# KiCad board KlusterLab r2.0.kicad_pcb (continued)
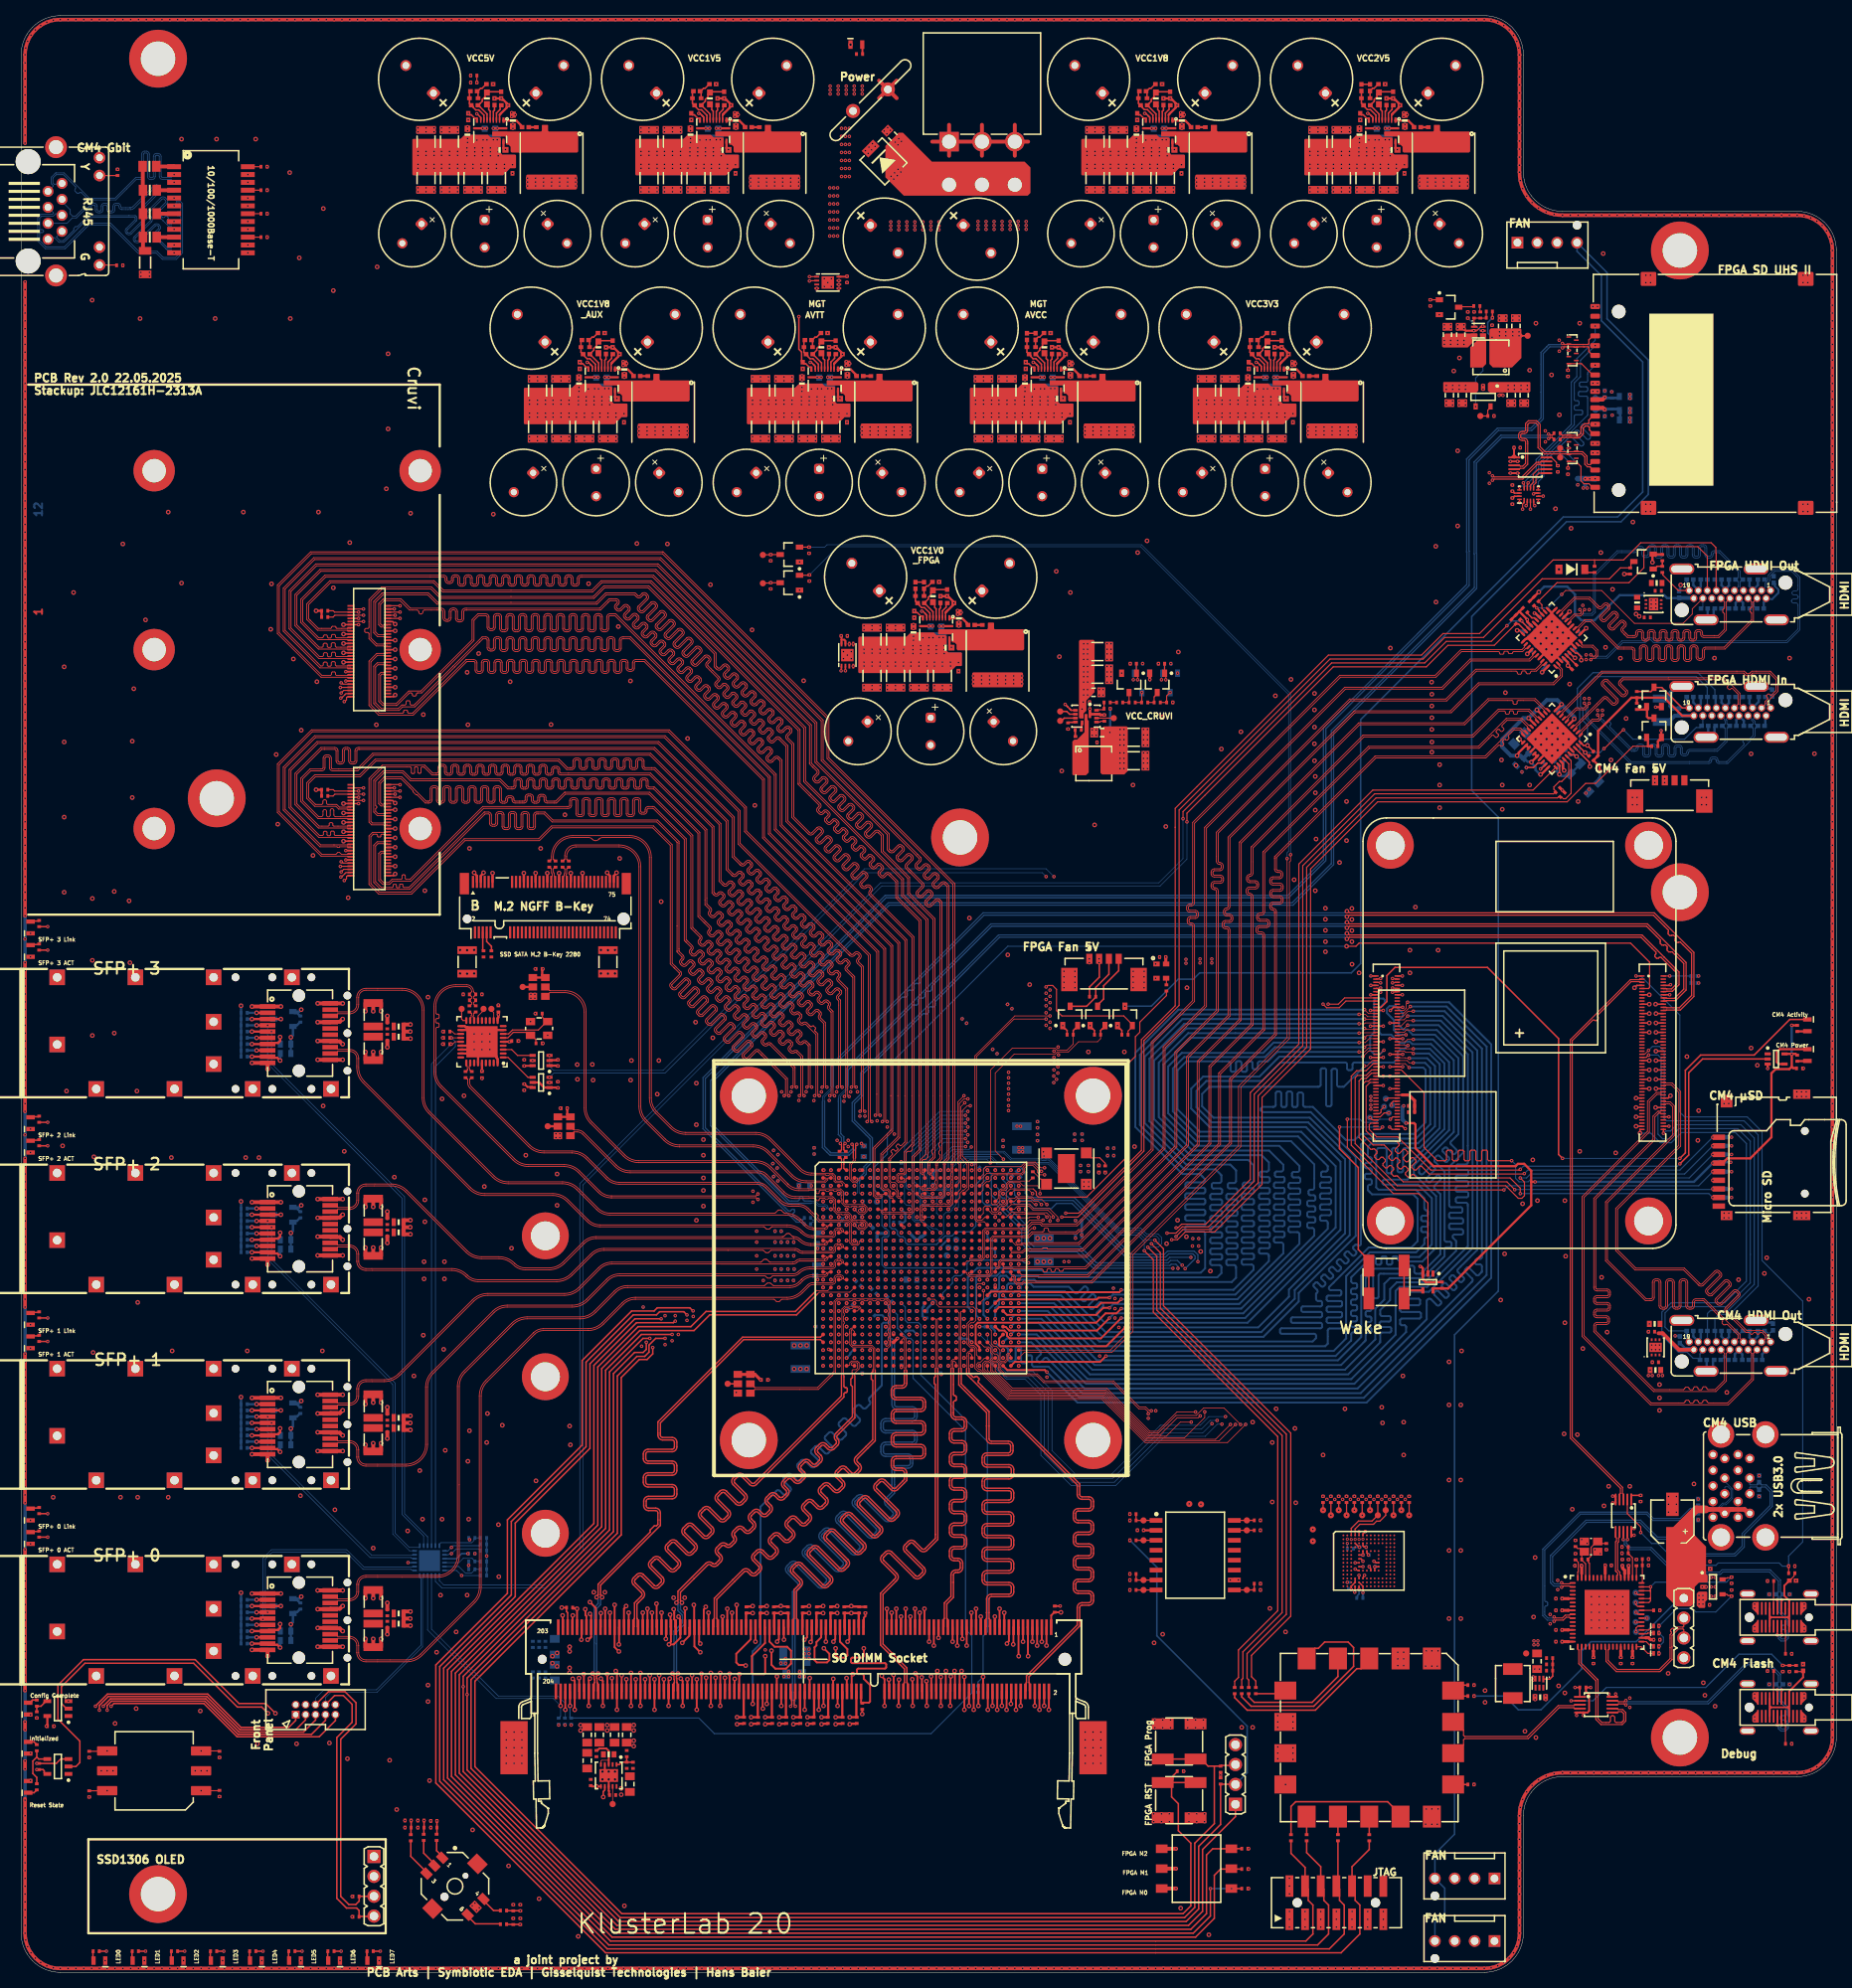
[diagram p0: board, top side]
## Placement (name value [footprint] x y rotation side) (continued)
R254  30.1k 1%  [RES_0402]  114.15 173.5 90 top
R274  47k 1%  [RES_0402_L]  126.97 102.02 225 bottom
R275  110R 1%  [RES_0402_L]  2.3 59 90 top
R276  200R 1%  [RES_0402_L]  2.3 56 90 top
R277  110R 1%  [RES_0402_L]  2.3 84 90 top
R278  200R 1%  [RES_0402_L]  2.3 81 90 top
R279  110R 1%  [RES_0402_L]  2.3 109 90 top
R280  200R 1%  [RES_0402_L]  2.3 106 90 top
R281  110R 1%  [RES_0402_L]  2.3 134 90 top
R282  200R 1%  [RES_0402_L]  2.3 131 90 top
R283  1.6k 1%  [RES_0402_L]  38.8 173.96 180 top
R284  1.6k 1%  [RES_0402_L]  38.8 151.1 180 top
R285  1.6k 1%  [RES_0402_L]  38.8 173.16 180 top
R286  1.6k 1%  [RES_0402_L]  38.8 150.3 180 top
R287  10k 1%  [RES_0402]  100.75 206.75 180 top
R288  1k 1%  [RES_0402]  128.55 209 90 top
R289  10R 1%  [RES_0402]  116.9 177.65 0 top
R290  10k 1%  [RES_0402]  115 174.95 180 top
R291  10k 1%  [RES_0402_L]  141.08 119.8 180 top
R292  6.04k 1%  [RES_0402]  118.8 174.95 180 top
R293  0R Jumper  [RES_0402]  117.5 175.4 270 top
R294  0R Jumper  [RES_0402]  118.35 176.25 270 top
R295  6.04k 1%  [RES_0402]  104.55 206.75 180 top
R296  0R Jumper  [RES_0402]  103.25 207.2 270 top
R297  0R Jumper  [RES_0402]  104.1 208.05 270 top
R298  0R Jumper  [RES_0402]  135.7 203.95 0 top
R299  30.1k 1%  [RES_0402]  128.4 205.3 90 top
R300  110R 1%  [RES_0402]  129.65 209 270 top
R301  10R 1%  [RES_0402]  131.15 209.45 0 top
R302  10k 1%  [RES_0402]  129.25 206.75 180 top
R303  6.04k 1%  [RES_0402]  133.05 206.75 180 top
R304  0R Jumper  [RES_0402]  131.75 207.2 270 top
R305  0R Jumper  [RES_0402]  132.6 208.05 270 top
R306  0R Jumper  [RES_0402]  178.45 235.75 0 top
R307  30.1k 1%  [RES_0402]  171.15 237.1 90 top
R308  12k 1%  [RES_0402]  171.3 240.8 90 top
R309  10R 1%  [RES_0402]  173.9 241.25 0 top
R310  10k 1%  [RES_0402]  172 238.55 180 top
R311  6.04k 1%  [RES_0402]  175.8 238.55 180 top
R312  0R Jumper  [RES_0402]  174.5 239 270 top
R313  0R Jumper  [RES_0402]  175.35 239.85 270 top
R314  0R Jumper  [RES_0402]  164.2 203.95 0 top
R315  30.1k 1%  [RES_0402]  156.9 205.3 90 top
R316  26.7k 1%  [RES_0402]  157.6 208.55 0 top
R317  10R 1%  [RES_0402]  159.65 209.45 0 top
R318  10k 1%  [RES_0402]  157.75 206.75 180 top
R319  6.04k 1%  [RES_0402]  161.55 206.75 180 top
R320  0R Jumper  [RES_0402]  160.2 207.2 270 top
R321  0R Jumper  [RES_0402]  161.1 208.05 270 top
R322  5.76k 1%  [RES_0402]  172.4 240.8 270 top
R323  0R Jumper  [RES_0402_L]  134.75 157.5 90 top
R324  10k 1%  [RES_0402_L]  133.8 159.25 90 top
R325  3.3k 1%  [RES_0402_L]  138.8 161.45 0 top
R326  18R 1%  [RES_0402_L]  138.8 162.25 180 top
R327  715R 1%  [RES_0402_L]  140.4 162.25 180 top
R328  301R 1%  [RES_0402_L]  142 162.25 180 top
R329  619R 1%  [RES_0402_L]  143.6 162.25 180 top
R330  562R 1%  [RES_0402_L]  145.2 162.25 180 top
R331  1.1k 1%  [RES_0402_L]  146.8 162.25 180 top
R332  10k 1%  [RES_0402_L]  142.15 167.2 180 top
R333  10k 1%  [RES_0402_L]  142.95 167.2 0 bottom
R334  10k 1%  [RES_0402_L]  145.75 167.2 180 top
R335  10k 1%  [RES_0402_L]  146.55 167.2 0 bottom
R336  10k 1%  [RES_0402_L]  196.4 192.1 270 top
R337  10k 1%  [RES_0402_L]  197.7 204.3 90 top
R338  10k 1%  [RES_0402_L]  197.7 191.8 90 top
R339  20k 1%  [RES_0402_L]  187.65 211.4 0 top
R340  7.87k 1%  [RES_0402_L]  186.5 211.75 270 top
R341  100R 1%  [RES_0402_L]  186.05 212.9 0 top
R342  10k 1%  [RES_0402_L]  185.7 211.75 270 top
R343  10k 1%  [RES_0402_L]  184.9 211.75 90 top
R344  10k 1%  [RES_0402_L]  180.1 213.3 270 top
R345  OPT  [RES_0603_L]  204.95 199.55 180 bottom
R346  0R Jumper  [RES_0603_L]  204.95 198.35 180 bottom
R347  10k 1%  [RES_0402_L]  187.85 198.85 180 top
R348  0R Jumper  [RES_0603_L]  204.95 201.35 180 bottom
S1  -  [LL3301BF065QJ]  174.5 88.2 270 top
S2  -  [LL3301BF065QJ]  148 22 180 top
S3  DS04-254-1-03BK-SMT  [CUI DS04-254-SMT Series, 3 Pole]  150.23 13.25 90 top
S4  -  [LL3301BF065QJ]  148 29.5 0 top
S5  AlpsAlpine SKRHACE010  [AlpsAlpine_SKRHACE010]  55.45 11 315 top
SW1  428521420910  [WÜRTH 428521420910]  17 25.75 90 top
T1  -  [QT24A01]  24.26 225.2 270 top
TP1  Testpoint  [Testpoint 0.8mm]  75.6 21.5 0 top
TP2  Testpoint  [Testpoint 0.8mm]  174.41 111.63 90 bottom
TP3  Testpoint  [Testpoint 0.8mm]  175.2 110.8 90 bottom
TP4  Testpoint  [Testpoint 0.8mm]  174.2 110.6 90 bottom
TP5  Testpoint  [Testpoint 0.8mm]  174.8 109.8 90 bottom
TP6  Testpoint  [Testpoint 0.8mm]  172.4 109.2 90 bottom
TP7  Testpoint  [Testpoint 0.8mm]  192.35 40.75 0 top
TP8  Testpoint  [Testpoint 0.8mm]  118.3 91.6 90 bottom
TP9  Testpoint  [Testpoint 0.8mm]  119.5 92.5 90 bottom
TP10  Testpoint  [Testpoint 0.8mm]  118.5 92.6 90 bottom
TP11  Testpoint  [Testpoint 0.8mm]  119.5 93.6 90 bottom
TP12  Testpoint  [Testpoint 0.8mm]  161.6 24 180 bottom
TP13  Testpoint  [Testpoint 0.8mm]  56.3 123.1 270 top
TP14  Testpoint  [Testpoint 0.8mm]  60.1 123.1 270 top
TP15  Testpoint  [Testpoint 0.8mm]  59.1 123.1 270 top
TP16  Testpoint  [Testpoint 0.8mm]  90.3 75.2 0 top
TP17  Testpoint  [Testpoint 0.8mm]  64.1 125.9 0 top
TP18  Testpoint  [Testpoint 0.8mm]  67.3 108.1 0 top
TP19  Testpoint  [Testpoint 0.8mm]  94.8 177.47 180 top
TP20  Testpoint  [Testpoint 0.8mm]  94.8 181.1 180 top
TP21  Testpoint  [Testpoint 0.8mm]  109.38 98.46 90 bottom
TP22  Testpoint  [Testpoint 0.8mm]  113.5 91.6 90 bottom
TP23  Testpoint  [Testpoint 0.8mm]  206.35 47.25 180 bottom
TP24  Testpoint  [Testpoint 0.8mm]  206.4 46 180 bottom
TP25  Testpoint  [Testpoint 0.8mm]  206.35 48.5 180 bottom
TP26  Testpoint  [Testpoint 0.8mm]  206.35 44.75 180 bottom
TP27  Testpoint  [Testpoint 0.8mm]  206.4 43.5 180 bottom
TP28  Testpoint  [Testpoint 0.8mm]  207.8 45.25 180 bottom
TP29  Testpoint  [Testpoint 0.8mm]  132.8 161.1 0 top
TP30  Testpoint  [Testpoint 0.8mm]  132.8 159.9 0 top
TP31  Testpoint  [Testpoint 0.8mm]  139.65 160.25 0 top
TP32  Testpoint  [Testpoint 0.8mm]  201.2 199.65 90 bottom
TP33  Testpoint  [Testpoint 0.8mm]  201.2 201.15 90 bottom
TP34  Testpoint  [Testpoint 0.8mm]  201.17 190.84 90 bottom
TP35  Testpoint  [Testpoint 0.8mm]  192.55 209.1 90 top
TP36  Testpoint  [Testpoint 0.8mm]  196.7 194.75 180 top
TP37  Testpoint  [Testpoint 0.8mm]  196.7 193.55 180 top
TP38  Testpoint  [Testpoint 0.8mm]  186.5 198.85 90 top
TP39  Testpoint  [Testpoint 0.8mm]  173.4 58.4 90 top
TP40  Testpoint  [Testpoint 0.8mm]  174.4 59.05 90 top
TP41  Testpoint  [Testpoint 0.8mm]  172.4 59.05 90 top
TP42  Testpoint  [Testpoint 0.8mm]  175.4 58.4 90 top
TP43  Testpoint  [Testpoint 0.8mm]  171.4 58.4 90 top
TP44  Testpoint  [Testpoint 0.8mm]  176.4 59.05 90 top
TP45  Testpoint  [Testpoint 0.8mm]  170.4 59.05 90 top
TP46  Testpoint  [Testpoint 0.8mm]  177.4 58.4 90 top
TP47  Testpoint  [Testpoint 0.8mm]  166.4 59.05 90 top
TP48  Testpoint  [Testpoint 0.8mm]  167.4 58.4 90 top
TP49  Testpoint  [Testpoint 0.8mm]  169.4 58.4 90 top
TP50  Testpoint  [Testpoint 0.8mm]  168.4 59.05 90 top
TP51  Testpoint  [Testpoint 0.8mm]  165.09 55.09 90 top
TP52  Testpoint  [Testpoint 0.8mm]  165.09 56.6 90 top
TP53  Testpoint  [Testpoint 0.8mm]  156.65 56.47 90 top
TP54  Testpoint  [Testpoint 0.8mm]  143.45 48.85 90 top
TP55  Testpoint  [Testpoint 0.8mm]  156.65 48.86 90 top
TP56  Testpoint  [Testpoint 0.8mm]  143.45 57.74 90 top
TP57  Testpoint  [Testpoint 0.8mm]  156.65 57.75 90 top
TP58  Testpoint  [Testpoint 0.8mm]  143.45 50.12 90 top
TP59  Testpoint  [Testpoint 0.8mm]  143.45 55.2 90 top
TP60  Testpoint  [Testpoint 0.8mm]  149.3 59.85 90 top
TP61  Testpoint  [Testpoint 0.8mm]  150.8 59.8 90 top
U1  XC7K160T-3FFG676E  [BGA100P2700X2700X317-676N]  115 90 0 top
U2  TPS51200DRCT  [QFN50P300X300X100-11N]  75.1 25.15 270 top
U3  NL17SZ07DFT2G  [SOT65P210X110-5N]  224.3 116.7 0 top
U4  NL17SZ07DFT2G  [SOT65P210X110-5N]  179.8 88.2 270 top
U5  AP21510FM-7  [QFN50P201X181X60_HS-7N]  208.9 79.85 90 top
U6  TLV62568ADRL  [SON50P150X80-6N]  194.05 36.95 270 top
U7  TUSB8044AI  [QFN50P900X900X90_HS-65N]  202.7 46 0 top
U8  AP22816AKCWT-7  [SOT95P285X140-5N#2]  216.23 49.25 0 top
U9  FSUSB42MUX  [SOP50P300X300X110-10N]  201.3 34.2 0 top
U10  FSUSB42MUX  [SOP50P300X300X110-10N]  204.79 58.35 270 top
U11  -  [JTAG-SMT3-NC]  172.3 30 270 top
U12  74LV1T34GV-Q100H  [SOT95P275X110-5N]  4.7 26.3 180 top
U13  TPS54JB20RWWR  [VQFN-HR21_RWW0021A]  116.95 171.7 270 top
U14  S40FC004C1B2C00000  [BGA50P900X750X080-153N]  172.25 52.58 0 top
U15  74LV1T34GV-Q100H  [SOT95P275X110-5N#2]  4.7 33.7 180 top
U17  MT25QU256ABA8ESF-0SIT  [SOIC16_Widebody]  150.05 53.3 0 top
U19  TMDS141RHAR  [QFN50P600X600X100-41N]  195.62 170.51 135 top
U20  AP21510FM-7  [QFN50P201X181X60_HS-7N]  208.64 174.81 0 top
U21  AD8195ACPZ  [QFN50P600X600X100-41N#2]  195.65 157.61 225 top
U22  TCA9548ARGERQ1  [QFN50P400X400X100-25N]  52.2 52.6 90 bottom
U23  SI5324C-C-GM  [QFN50P600X600X85-37N]  58.9 118.9 180 top
U24  SN74AVC1T45DCKR  [SOT65P210X100-6N]  66.45 116.5 180 top
U26  PCT2075TP,147  [SOT1069-2 (HWSON8)]  103.1 215.9 0 top
U27  PCT2075TP,147  [SOT1069-2 (HWSON8)]  105.6 168.3 90 top
U28  TPS54JB20RWWR  [VQFN-HR21_RWW0021A]  59.95 235.3 270 top
U29  TPS54JB20RWWR  [VQFN-HR21_RWW0021A]  145.45 235.3 270 top
U30  TPS54JB20RWWR  [VQFN-HR21_RWW0021A]  74.2 203.5 270 top
U31  TPS54JB20RWWR  [VQFN-HR21_RWW0021A]  88.45 235.3 270 top
U32  TPS54JB20RWWR  [VQFN-HR21_RWW0021A]  102.7 203.5 270 top
U33  TPS54JB20RWWR  [VQFN-HR21_RWW0021A]  131.2 203.5 270 top
U34  TPS54JB20RWWR  [VQFN-HR21_RWW0021A]  173.95 235.3 270 top
U35  TPS54JB20RWWR  [VQFN-HR21_RWW0021A]  159.7 203.5 270 top
U36  SN74AVC1T45DCKR  [SOT65P210X100-6N]  66.45 113.7 180 top
U37  AP62600SJ-7  [QFN50P200x300x85-12]  136.1 160.5 270 top
U38  NVT4858HKZ  [QFN40P180X260X55-16N]  192.7 188.8 90 top
U39  FSUSB42MUX  [SOP50P300X300X110-10N]  192.88 192.55 0 top
U40  TLV62568ADRL  [SON50P150X80-6N]  186.25 209.75 0 top
U41  AP22816AKCWT-7  [SOT95P285X140-5N]  186.85 201.3 270 top
Y1  ECS-240-10-36B2-CTN-TR  [ECX-2236B]  200.65 54.4 0 top
Y2  ASVMB-66.000MHZ-XY-T  [ASVMB Series]  133.6 102.7 180 top
Y3  CS-023-114.285M  [S3D - Shenzhen SCTF Elec]  66.2 120.6 180 top
Y4  AX3DCF1-200.0000  [Abracon AX3]  92.4 75.2 270 top
Y5  511JBA150M000CAG  [Abracon AX3]  66.2 125.9 270 top
Y6  AX3DCF1-156.2500  [Abracon AX3]  69.4 108.1 270 top
Y7  ECS-TXO-20CSMV4-520-AN-TR  [ECS-TXO-20CSMV4_2X1.6X0.8]  145.73 127.92 270 top

## Footprints (pads in the part's own frame, mm; a bottom-side part is the same pattern mirrored in y, then rotated)
0ZRB0400FF
  round 1.8 hole 1: 1(-2.55,0.6) 2(2.55,-0.6)
2-2013310-1
  round 1.15 hole 1.15 unplated: (-33.4,0)
  round 1.65 hole 1.65 unplated: (33.4,0)
  rect 0.35x2 smd: 1(31.65,4.1) 2(31.35,-4.1) 3(31.05,4.1) 4(30.75,-4.1) 5(30.45,4.1) 6(30.15,-4.1) 7(29.85,4.1) 8(29.55,-4.1) 9(29.25,4.1) 10(28.95,-4.1) 11(28.65,4.1) 12(28.35,-4.1) 13(28.05,4.1) 14(27.75,-4.1) 15(27.45,4.1) 16(27.15,-4.1) 17(26.85,4.1) 18(26.55,-4.1) 19(26.25,4.1) 20(25.95,-4.1) 21(25.65,4.1) 22(25.35,-4.1) 23(25.05,4.1) 24(24.75,-4.1) 25(24.45,4.1) 26(24.15,-4.1) 27(23.85,4.1) 28(23.55,-4.1) 29(23.25,4.1) 30(22.95,-4.1) 31(22.65,4.1) 32(22.35,-4.1) 33(22.05,4.1) 34(21.75,-4.1) 35(21.45,4.1) 36(21.15,-4.1) 37(20.85,4.1) 38(20.55,-4.1) 39(20.25,4.1) 40(19.95,-4.1) 41(19.65,4.1) 42(19.35,-4.1) 43(19.05,4.1) 44(18.75,-4.1) 45(18.45,4.1) 46(18.15,-4.1) 47(17.85,4.1) 48(17.55,-4.1) 49(17.25,4.1) 50(16.95,-4.1) 51(16.65,4.1) 52(16.35,-4.1) 53(16.05,4.1) 54(15.75,-4.1) 55(15.45,4.1) 56(15.15,-4.1) 57(14.85,4.1) 58(14.55,-4.1) 59(14.25,4.1) 60(13.95,-4.1) 61(13.65,4.1) 62(13.35,-4.1) 63(13.05,4.1) 64(12.75,-4.1) 65(12.45,4.1) 66(12.15,-4.1) 67(11.85,4.1) 68(11.55,-4.1) 69(11.25,4.1) 70(10.95,-4.1) 71(10.65,4.1) 72(10.35,-4.1) 73(7.65,4.1) 74(7.35,-4.1) 75(7.05,4.1) 76(6.75,-4.1) 77(6.45,4.1) 78(6.15,-4.1) 79(5.85,4.1) 80(5.55,-4.1) 81(5.25,4.1) 82(4.95,-4.1) 83(4.65,4.1) 84(4.35,-4.1) 85(4.05,4.1) 86(3.75,-4.1) 87(3.45,4.1) 88(3.15,-4.1) 89(2.85,4.1) 90(2.55,-4.1) 91(2.25,4.1) 92(1.95,-4.1) 93(1.65,4.1) 94(1.35,-4.1) 95(1.05,4.1) 96(0.75,-4.1) 97(0.45,4.1) 98(0.15,-4.1) 99(-0.15,4.1) 100(-0.45,-4.1) 101(-0.75,4.1) 102(-1.05,-4.1) 103(-1.35,4.1) 104(-1.65,-4.1) 105(-1.95,4.1) 106(-2.25,-4.1) 107(-2.55,4.1) 108(-2.85,-4.1) 109(-3.15,4.1) 110(-3.45,-4.1) 111(-3.75,4.1) 112(-4.05,-4.1) 113(-4.35,4.1) 114(-4.65,-4.1) 115(-4.95,4.1) 116(-5.25,-4.1) 117(-5.55,4.1) 118(-5.85,-4.1) 119(-6.15,4.1) 120(-6.45,-4.1) 121(-6.75,4.1) 122(-7.05,-4.1) 123(-7.35,4.1) 124(-7.65,-4.1) 125(-7.95,4.1) 126(-8.25,-4.1) 127(-8.55,4.1) 128(-8.85,-4.1) 129(-9.15,4.1) 130(-9.45,-4.1) 131(-9.75,4.1) 132(-10.05,-4.1) 133(-10.35,4.1) 134(-10.65,-4.1) 135(-10.95,4.1) 136(-11.25,-4.1) 137(-11.55,4.1) 138(-11.85,-4.1) 139(-12.15,4.1) 140(-12.45,-4.1) 141(-12.75,4.1) 142(-13.05,-4.1) 143(-13.35,4.1) 144(-13.65,-4.1) 145(-13.95,4.1) 146(-14.25,-4.1) 147(-14.55,4.1) 148(-14.85,-4.1) 149(-15.15,4.1) 150(-15.45,-4.1) 151(-15.75,4.1) 152(-16.05,-4.1) 153(-16.35,4.1) 154(-16.65,-4.1) 155(-16.95,4.1) 156(-17.25,-4.1) 157(-17.55,4.1) 158(-17.85,-4.1) 159(-18.15,4.1) 160(-18.45,-4.1) 161(-18.75,4.1) 162(-19.05,-4.1) 163(-19.35,4.1) 164(-19.65,-4.1) 165(-19.95,4.1) 166(-20.25,-4.1) 167(-20.55,4.1) 168(-20.85,-4.1) 169(-21.15,4.1) 170(-21.45,-4.1) 171(-21.75,4.1) 172(-22.05,-4.1) 173(-22.35,4.1) 174(-22.65,-4.1) 175(-22.95,4.1) 176(-23.25,-4.1) 177(-23.55,4.1) 178(-23.85,-4.1) 179(-24.15,4.1) 180(-24.45,-4.1) 181(-24.75,4.1) 182(-25.05,-4.1) 183(-25.35,4.1) 184(-25.65,-4.1) 185(-25.95,4.1) 186(-26.25,-4.1) 187(-26.55,4.1) 188(-26.85,-4.1) 189(-27.15,4.1) 190(-27.45,-4.1) 191(-27.75,4.1) 192(-28.05,-4.1) 193(-28.35,4.1) 194(-28.65,-4.1) 195(-28.95,4.1) 196(-29.25,-4.1) 197(-29.55,4.1) 198(-29.85,-4.1) 199(-30.15,4.1) 200(-30.45,-4.1) 201(-30.75,4.1) 202(-31.05,-4.1) 203(-31.35,4.1) 204(-31.65,-4.1)
  rect 3.5x6.8 smd: MT1(37,-11.3) MT2(-37,-11.3)
74441-0010
  round 1.6 hole 1.6 unplated: (-4.8,0) (4.8,0)
  rect 0.6x2 smd: 1(-3.4,-4) 2(-2.6,-4) 3(-1.8,-4) 4(-1,-4) 5(-0.2,-4) 6(0.6,-4) 7(1.4,-4) 8(2.2,-4) 9(3,-4) 10(3.8,-4) 11(3.4,4) 12(2.6,4) 13(1.8,4) 14(1,4) 15(0.2,4) 16(-0.6,4) 17(-1.4,4) 18(-2.2,4) 19(-3,4) 20(-3.8,4)
87832-1420
  round 1.2 hole 1.2 unplated: (-5,0) (5,0)
  rect 1x2.75 smd: 1(-6,-2.125) 2(-6,2.125) 3(-4,-2.125) 4(-4,2.125) 5(-2,-2.125) 6(-2,2.125) 7(0,-2.125) 8(0,2.125) 9(2,-2.125) 10(2,2.125) 11(4,-2.125) 12(4,2.125) 13(6,-2.125) 14(6,2.125)
2007198-1
  round 1 hole 1 unplated: (-7.13,1.6) (-7.13,-8.1) (-7.13,-3.4) (-4.8,6.2) (0,6.2) (4.8,6.2) (7.13,-3.4) (7.13,1.6) (7.13,-8.1)
  rect 2x2 hole 1.1: MT(-7.13,-30.9) MT(-7.13,-0.9) MT(-7.13,-10.9) MT(-7.13,-20.9) MT(-1.45,-10.9) MT(1.45,-30.9) MT(3.95,-10.9) MT(7.13,4.1) MT(7.13,-5.9) MT(7.13,-15.9) MT(7.13,-25.9)
2007198-1#2
  round 1 hole 1 unplated: (-7.13,1.6) (-7.13,-8.1) (-7.13,-3.4) (-4.8,6.2) (0,6.2) (4.8,6.2) (7.13,-3.4) (7.13,1.6) (7.13,-8.1)
  rect 2x2 hole 1.1: MT(-7.13,-0.9) MT(-7.13,-10.9) MT(-7.13,-20.9) MT(-7.13,-30.9) MT(-1.45,-10.9) MT(1.45,-30.9) MT(3.95,-10.9) MT(7.13,4.1) MT(7.13,-5.9) MT(7.13,-15.9) MT(7.13,-25.9)
2007198-1#3
  round 1 hole 1 unplated: (-7.13,1.6) (-7.13,-3.4) (-7.13,-8.1) (-4.8,6.2) (0,6.2) (4.8,6.2) (7.13,1.6) (7.13,-3.4) (7.13,-8.1)
  rect 2x2 hole 1.1: MT(-7.13,-0.9) MT(-7.13,-10.9) MT(-7.13,-20.9) MT(-7.13,-30.9) MT(-1.45,-10.9) MT(1.45,-30.9) MT(3.95,-10.9) MT(7.13,4.1) MT(7.13,-5.9) MT(7.13,-15.9) MT(7.13,-25.9)
9774020360R
  round 7.4 hole 4.4: 1(0,0)
9774030151R
  round 6 hole 3.7: 1(0,0)
9774050243R
  round 5.3 hole 3: 1(0,0)
9774065151R
  round 6 hole 3.7: 1(0,0)
9774070360R
  round 7.4 hole 4.4: 1(0,0)
61300411121
  rect 1.7x1.7 hole 1.1: 1(-3.81,0)
  round 1.7 hole 1.1: 2(-1.27,0) 3(1.27,0) 4(3.81,0)
62701021621
  rect 1x1 hole 0.7: 1(2.54,0.635)
  round 1 hole 0.7: 2(2.54,-0.635) 3(1.27,0.635) 4(1.27,-0.635) 5(0,0.635) 6(0,-0.635) 7(-1.27,0.635) 8(-1.27,-0.635) 9(-2.54,0.635) 10(-2.54,-0.635)
Abracon AX3
  rect 0.9x1.1 smd: 1(-1.2,-0.8) 2(0,-0.8) 3(1.2,-0.8) 4(1.2,0.8) 5(0,0.8) 6(-1.2,0.8)
AlpsAlpine_SKRHACE010
  round 0.75 hole 0.75 unplated: (0,1.9)
  round 1.05 hole 1.05 unplated: (0,-1.9)
  rrect 1.35x1 smd: 1(-3.725,1.425) 2(-3.725,0) 3(-3.725,-1.425) 4(3.725,1.425) 5(3.725,0) 6(3.725,-1.425)
  rrect 2x1.8 smd: MP1(0,4.05) MP2(0,-4.05)
Amphenol_GSD2100107BHR
  round 1.75 hole 1.75 unplated: (-12.35,13.85) (10.45,13.85)
  rrect 0.65x1.25 smd: 1(11.1,16.865) 2(9.85,16.865) 3(8.6,16.865) 4(7.35,16.865) 5(6.1,16.865) 6(4.85,16.865) 7(3.6,16.865) 8(2.35,16.865) 9(1.3,16.865) 10(0.25,16.865) 11(-0.8,16.865) 12(-1.85,16.865) 13(-2.9,16.865) 14(-3.95,16.865) 15(-5.15,16.865) 16(-6.4,16.865) 17(-7.6,16.865) 18(-8.7,16.865) 19(-9.8,16.865) 20(-10.9,16.865) 21(-12,16.865)
  rrect 1.8x2 smd: MT1(-14.625,10.05) MT2(-14.625,-10.05) MT3(14.625,-10.05) MT4(14.625,10.05)
APCI0161-P001A
  round 1.1 hole 1.1 unplated: (-10,-1.5)
  round 1.6 hole 1.6 unplated: (10,-1.5)
  rect 0.3x1.55 smd: 1(-9.25,3.225) 2(-9,-3.225) 3(-8.75,3.225) 4(-8.5,-3.225) 5(-8.25,3.225) 6(-8,-3.225) 7(-7.75,3.225) 8(-7.5,-3.225) 9(-7.25,3.225) 10(-7,-3.225) 11(-6.75,3.225) 20(-4.5,-3.225) 21(-4.25,3.225) 22(-4,-3.225) 23(-3.75,3.225) 24(-3.5,-3.225) 25(-3.25,3.225) 26(-3,-3.225) 27(-2.75,3.225) 28(-2.5,-3.225) 29(-2.25,3.225) 30(-2,-3.225) 31(-1.75,3.225) 32(-1.5,-3.225) 33(-1.25,3.225) 34(-1,-3.225) 35(-0.75,3.225) 36(-0.5,-3.225) 37(-0.25,3.225) 38(0,-3.225) 39(0.25,3.225) 40(0.5,-3.225) 41(0.75,3.225) 42(1,-3.225) 43(1.25,3.225) 44(1.5,-3.225) 45(1.75,3.225) 46(2,-3.225) 47(2.25,3.225) 48(2.5,-3.225) 49(2.75,3.225) 50(3,-3.225) 51(3.25,3.225) 52(3.5,-3.225) 53(3.75,3.225) 54(4,-3.225) 55(4.25,3.225) 56(4.5,-3.225) 57(4.75,3.225) 58(5,-3.225) 59(5.25,3.225) 60(5.5,-3.225) 61(5.75,3.225) 62(6,-3.225) 63(6.25,3.225) 64(6.5,-3.225) 65(6.75,3.225) 66(7,-3.225) 67(7.25,3.225) 68(7.5,-3.225) 69(7.75,3.225) 70(8,-3.225) 71(8.25,3.225) 72(8.5,-3.225) 73(8.75,3.225) 74(9,-3.225) 75(9.25,3.225)
  rect 1.2x2.75 smd: MT(-10.35,3) MT(10.35,3)
ASVMB Series
  rect 1.4x1.4 smd: 1(-2.54,-2) 2(2.54,-2) 3(2.54,2) 4(-2.54,2)
  rect 2.2x3.7 smd: 5(0,0)
BGA50P900X750X080-153N
  round 0.25 smd: A1(-3.25,3.25) A2(-2.75,3.25) A3(-2.25,3.25) A4(-1.75,3.25) A5(-1.25,3.25) A6(-0.75,3.25) A7(-0.25,3.25) A8(0.25,3.25) A9(0.75,3.25) A10(1.25,3.25) A11(1.75,3.25) A12(2.25,3.25) A13(2.75,3.25) A14(3.25,3.25) B1(-3.25,2.75) B2(-2.75,2.75) B3(-2.25,2.75) B4(-1.75,2.75) B5(-1.25,2.75) B6(-0.75,2.75) B7(-0.25,2.75) B8(0.25,2.75) B9(0.75,2.75) B10(1.25,2.75) B11(1.75,2.75) B12(2.25,2.75) B13(2.75,2.75) B14(3.25,2.75) C1(-3.25,2.25) C2(-2.75,2.25) C3(-2.25,2.25) C4(-1.75,2.25) C5(-1.25,2.25) C6(-0.75,2.25) C7(-0.25,2.25) C8(0.25,2.25) C9(0.75,2.25) C10(1.25,2.25) C11(1.75,2.25) C12(2.25,2.25) C13(2.75,2.25) C14(3.25,2.25) D1(-3.25,1.75) D2(-2.75,1.75) D3(-2.25,1.75) D4(-1.75,1.75) D12(2.25,1.75) D13(2.75,1.75) D14(3.25,1.75) E1(-3.25,1.25) E2(-2.75,1.25) E3(-2.25,1.25) E5(-1.25,1.25) E6(-0.75,1.25) E7(-0.25,1.25) E8(0.25,1.25) E9(0.75,1.25) E10(1.25,1.25) E12(2.25,1.25) E13(2.75,1.25) E14(3.25,1.25) F1(-3.25,0.75) F2(-2.75,0.75) F3(-2.25,0.75) F5(-1.25,0.75) F10(1.25,0.75) F12(2.25,0.75) F13(2.75,0.75) F14(3.25,0.75) G1(-3.25,0.25) G2(-2.75,0.25) G3(-2.25,0.25) G5(-1.25,0.25) G10(1.25,0.25) G12(2.25,0.25) G13(2.75,0.25) G14(3.25,0.25) H1(-3.25,-0.25) H2(-2.75,-0.25) H3(-2.25,-0.25) H5(-1.25,-0.25) H10(1.25,-0.25) H12(2.25,-0.25) H13(2.75,-0.25) H14(3.25,-0.25) J1(-3.25,-0.75) J2(-2.75,-0.75) J3(-2.25,-0.75) J5(-1.25,-0.75) J10(1.25,-0.75) J12(2.25,-0.75) J13(2.75,-0.75) J14(3.25,-0.75) K1(-3.25,-1.25) K2(-2.75,-1.25) K3(-2.25,-1.25) K5(-1.25,-1.25) K6(-0.75,-1.25) K7(-0.25,-1.25) K8(0.25,-1.25) K9(0.75,-1.25) K10(1.25,-1.25) K12(2.25,-1.25) K13(2.75,-1.25) K14(3.25,-1.25) L1(-3.25,-1.75) L2(-2.75,-1.75) L3(-2.25,-1.75) L12(2.25,-1.75) L13(2.75,-1.75) L14(3.25,-1.75) M1(-3.25,-2.25) M2(-2.75,-2.25) M3(-2.25,-2.25) M4(-1.75,-2.25) M5(-1.25,-2.25) M6(-0.75,-2.25) M7(-0.25,-2.25) M8(0.25,-2.25) M9(0.75,-2.25) M10(1.25,-2.25) M11(1.75,-2.25) M12(2.25,-2.25) M13(2.75,-2.25) M14(3.25,-2.25) N1(-3.25,-2.75) N2(-2.75,-2.75) N3(-2.25,-2.75) N4(-1.75,-2.75) N5(-1.25,-2.75) N6(-0.75,-2.75) N7(-0.25,-2.75) N8(0.25,-2.75) N9(0.75,-2.75) N10(1.25,-2.75) N11(1.75,-2.75) N12(2.25,-2.75) N13(2.75,-2.75) N14(3.25,-2.75) P1(-3.25,-3.25) P2(-2.75,-3.25) P3(-2.25,-3.25) P4(-1.75,-3.25) P5(-1.25,-3.25) P6(-0.75,-3.25) P7(-0.25,-3.25) P8(0.25,-3.25) P9(0.75,-3.25) P10(1.25,-3.25) P11(1.75,-3.25) P12(2.25,-3.25) P13(2.75,-3.25) P14(3.25,-3.25)
BGA100P2700X2700X317-676N
  round 0.5 smd: A1(-12.5,12.5) A2(-11.5,12.5) A3(-10.5,12.5) A4(-9.5,12.5) A5(-8.5,12.5) A6(-7.5,12.5) A7(-6.5,12.5) A8(-5.5,12.5) A9(-4.5,12.5) A10(-3.5,12.5) A11(-2.5,12.5) A12(-1.5,12.5) A13(-0.5,12.5) A14(0.5,12.5) A15(1.5,12.5) A16(2.5,12.5) A17(3.5,12.5) A18(4.5,12.5) A19(5.5,12.5) A20(6.5,12.5) A21(7.5,12.5) A22(8.5,12.5) A23(9.5,12.5) A24(10.5,12.5) A25(11.5,12.5) A26(12.5,12.5) AA1(-12.5,-7.5) AA2(-11.5,-7.5) AA3(-10.5,-7.5) AA4(-9.5,-7.5) AA5(-8.5,-7.5) AA6(-7.5,-7.5) AA7(-6.5,-7.5) AA8(-5.5,-7.5) AA9(-4.5,-7.5) AA10(-3.5,-7.5) AA11(-2.5,-7.5) AA12(-1.5,-7.5) AA13(-0.5,-7.5) AA14(0.5,-7.5) AA15(1.5,-7.5) AA16(2.5,-7.5) AA17(3.5,-7.5) AA18(4.5,-7.5) AA19(5.5,-7.5) AA20(6.5,-7.5) AA21(7.5,-7.5) AA22(8.5,-7.5) AA23(9.5,-7.5) AA24(10.5,-7.5) AA25(11.5,-7.5) AA26(12.5,-7.5) AB1(-12.5,-8.5) AB2(-11.5,-8.5) AB3(-10.5,-8.5) AB4(-9.5,-8.5) AB5(-8.5,-8.5) AB6(-7.5,-8.5) AB7(-6.5,-8.5) AB8(-5.5,-8.5) AB9(-4.5,-8.5) AB10(-3.5,-8.5) AB11(-2.5,-8.5) AB12(-1.5,-8.5) AB13(-0.5,-8.5) AB14(0.5,-8.5) AB15(1.5,-8.5) AB16(2.5,-8.5) AB17(3.5,-8.5) AB18(4.5,-8.5) AB19(5.5,-8.5) AB20(6.5,-8.5) AB21(7.5,-8.5) AB22(8.5,-8.5) AB23(9.5,-8.5) AB24(10.5,-8.5) AB25(11.5,-8.5) AB26(12.5,-8.5) AC1(-12.5,-9.5) AC2(-11.5,-9.5) AC3(-10.5,-9.5) AC4(-9.5,-9.5) AC5(-8.5,-9.5) AC6(-7.5,-9.5) AC7(-6.5,-9.5) AC8(-5.5,-9.5) AC9(-4.5,-9.5) AC10(-3.5,-9.5) AC11(-2.5,-9.5) AC12(-1.5,-9.5) AC13(-0.5,-9.5) AC14(0.5,-9.5) AC15(1.5,-9.5) AC16(2.5,-9.5) AC17(3.5,-9.5) AC18(4.5,-9.5) AC19(5.5,-9.5) AC20(6.5,-9.5) AC21(7.5,-9.5) AC22(8.5,-9.5) AC23(9.5,-9.5) AC24(10.5,-9.5) AC25(11.5,-9.5) AC26(12.5,-9.5) AD1(-12.5,-10.5) AD2(-11.5,-10.5) AD3(-10.5,-10.5) AD4(-9.5,-10.5) AD5(-8.5,-10.5) AD6(-7.5,-10.5) AD7(-6.5,-10.5) AD8(-5.5,-10.5) AD9(-4.5,-10.5) AD10(-3.5,-10.5) AD11(-2.5,-10.5) AD12(-1.5,-10.5) AD13(-0.5,-10.5) AD14(0.5,-10.5) AD15(1.5,-10.5) AD16(2.5,-10.5) AD17(3.5,-10.5) AD18(4.5,-10.5) AD19(5.5,-10.5) AD20(6.5,-10.5) AD21(7.5,-10.5) AD22(8.5,-10.5) AD23(9.5,-10.5) AD24(10.5,-10.5) AD25(11.5,-10.5) AD26(12.5,-10.5) AE1(-12.5,-11.5) AE2(-11.5,-11.5) AE3(-10.5,-11.5) AE4(-9.5,-11.5) AE5(-8.5,-11.5) AE6(-7.5,-11.5) AE7(-6.5,-11.5) AE8(-5.5,-11.5) AE9(-4.5,-11.5) AE10(-3.5,-11.5) AE11(-2.5,-11.5) AE12(-1.5,-11.5) AE13(-0.5,-11.5) AE14(0.5,-11.5) AE15(1.5,-11.5) AE16(2.5,-11.5) AE17(3.5,-11.5) AE18(4.5,-11.5) AE19(5.5,-11.5) AE20(6.5,-11.5) AE21(7.5,-11.5) AE22(8.5,-11.5) AE23(9.5,-11.5) AE24(10.5,-11.5) AE25(11.5,-11.5) AE26(12.5,-11.5) AF1(-12.5,-12.5) AF2(-11.5,-12.5) AF3(-10.5,-12.5) AF4(-9.5,-12.5) AF5(-8.5,-12.5) AF6(-7.5,-12.5) AF7(-6.5,-12.5) AF8(-5.5,-12.5) AF9(-4.5,-12.5) AF10(-3.5,-12.5) AF11(-2.5,-12.5) AF12(-1.5,-12.5) AF13(-0.5,-12.5) AF14(0.5,-12.5) AF15(1.5,-12.5) AF16(2.5,-12.5) AF17(3.5,-12.5) AF18(4.5,-12.5) AF19(5.5,-12.5) AF20(6.5,-12.5) AF21(7.5,-12.5) AF22(8.5,-12.5) AF23(9.5,-12.5) AF24(10.5,-12.5) AF25(11.5,-12.5) AF26(12.5,-12.5) B1(-12.5,11.5) B2(-11.5,11.5) B3(-10.5,11.5) B4(-9.5,11.5) B5(-8.5,11.5) B6(-7.5,11.5) B7(-6.5,11.5) B8(-5.5,11.5) B9(-4.5,11.5) B10(-3.5,11.5) B11(-2.5,11.5) B12(-1.5,11.5) B13(-0.5,11.5) B14(0.5,11.5) B15(1.5,11.5) B16(2.5,11.5) B17(3.5,11.5) B18(4.5,11.5) B19(5.5,11.5) B20(6.5,11.5) B21(7.5,11.5) B22(8.5,11.5) B23(9.5,11.5) B24(10.5,11.5) B25(11.5,11.5) B26(12.5,11.5) C1(-12.5,10.5) C2(-11.5,10.5) C3(-10.5,10.5) C4(-9.5,10.5) C5(-8.5,10.5) C6(-7.5,10.5) C7(-6.5,10.5) C8(-5.5,10.5) C9(-4.5,10.5) C10(-3.5,10.5) C11(-2.5,10.5) C12(-1.5,10.5) C13(-0.5,10.5) C14(0.5,10.5) C15(1.5,10.5) C16(2.5,10.5) C17(3.5,10.5) C18(4.5,10.5) C19(5.5,10.5) C20(6.5,10.5) C21(7.5,10.5) C22(8.5,10.5) C23(9.5,10.5) C24(10.5,10.5) C25(11.5,10.5) C26(12.5,10.5) D1(-12.5,9.5) D2(-11.5,9.5) D3(-10.5,9.5) D4(-9.5,9.5) D5(-8.5,9.5) D6(-7.5,9.5) D7(-6.5,9.5) D8(-5.5,9.5) D9(-4.5,9.5) D10(-3.5,9.5) D11(-2.5,9.5) D12(-1.5,9.5) D13(-0.5,9.5) D14(0.5,9.5) D15(1.5,9.5) D16(2.5,9.5) D17(3.5,9.5) D18(4.5,9.5) D19(5.5,9.5) D20(6.5,9.5) D21(7.5,9.5) D22(8.5,9.5) D23(9.5,9.5) D24(10.5,9.5) D25(11.5,9.5) D26(12.5,9.5) E1(-12.5,8.5) E2(-11.5,8.5) E3(-10.5,8.5) E4(-9.5,8.5) E5(-8.5,8.5) E6(-7.5,8.5) E7(-6.5,8.5) E8(-5.5,8.5) E9(-4.5,8.5) E10(-3.5,8.5) E11(-2.5,8.5) E12(-1.5,8.5) E13(-0.5,8.5) E14(0.5,8.5) E15(1.5,8.5) E16(2.5,8.5) E17(3.5,8.5) E18(4.5,8.5) E19(5.5,8.5) E20(6.5,8.5) E21(7.5,8.5) E22(8.5,8.5) E23(9.5,8.5) E24(10.5,8.5) E25(11.5,8.5) E26(12.5,8.5) F1(-12.5,7.5) F2(-11.5,7.5) F3(-10.5,7.5) F4(-9.5,7.5) F5(-8.5,7.5) F6(-7.5,7.5) F7(-6.5,7.5) F8(-5.5,7.5) F9(-4.5,7.5) F10(-3.5,7.5) F11(-2.5,7.5) F12(-1.5,7.5) F13(-0.5,7.5) F14(0.5,7.5) F15(1.5,7.5) F16(2.5,7.5) F17(3.5,7.5) F18(4.5,7.5) F19(5.5,7.5) F20(6.5,7.5) F21(7.5,7.5) F22(8.5,7.5) F23(9.5,7.5) F24(10.5,7.5) F25(11.5,7.5) F26(12.5,7.5) G1(-12.5,6.5) G2(-11.5,6.5) G3(-10.5,6.5) G4(-9.5,6.5) G5(-8.5,6.5) G6(-7.5,6.5) G7(-6.5,6.5) G8(-5.5,6.5) G9(-4.5,6.5) G10(-3.5,6.5) G11(-2.5,6.5) G12(-1.5,6.5) G13(-0.5,6.5) G14(0.5,6.5) G15(1.5,6.5) G16(2.5,6.5) G17(3.5,6.5) G18(4.5,6.5) G19(5.5,6.5) G20(6.5,6.5) G21(7.5,6.5) G22(8.5,6.5) G23(9.5,6.5) G24(10.5,6.5) G25(11.5,6.5) G26(12.5,6.5) H1(-12.5,5.5) H2(-11.5,5.5) H3(-10.5,5.5) H4(-9.5,5.5) H5(-8.5,5.5) H6(-7.5,5.5) H7(-6.5,5.5) H8(-5.5,5.5) H9(-4.5,5.5) H10(-3.5,5.5) H11(-2.5,5.5) H12(-1.5,5.5) H13(-0.5,5.5) H14(0.5,5.5) H15(1.5,5.5) H16(2.5,5.5) H17(3.5,5.5) H18(4.5,5.5) H19(5.5,5.5) H20(6.5,5.5) H21(7.5,5.5) H22(8.5,5.5) H23(9.5,5.5) H24(10.5,5.5) H25(11.5,5.5) H26(12.5,5.5) J1(-12.5,4.5) J2(-11.5,4.5) J3(-10.5,4.5) J4(-9.5,4.5) J5(-8.5,4.5) J6(-7.5,4.5) J7(-6.5,4.5) J8(-5.5,4.5) J9(-4.5,4.5) J10(-3.5,4.5) J11(-2.5,4.5) J12(-1.5,4.5) J13(-0.5,4.5) J14(0.5,4.5) J15(1.5,4.5) J16(2.5,4.5) J17(3.5,4.5) J18(4.5,4.5) J19(5.5,4.5) J20(6.5,4.5) J21(7.5,4.5) J22(8.5,4.5) J23(9.5,4.5) J24(10.5,4.5) J25(11.5,4.5) J26(12.5,4.5) K1(-12.5,3.5) K2(-11.5,3.5) K3(-10.5,3.5) K4(-9.5,3.5) K5(-8.5,3.5) K6(-7.5,3.5) K7(-6.5,3.5) K8(-5.5,3.5) K9(-4.5,3.5) K10(-3.5,3.5) K11(-2.5,3.5) K12(-1.5,3.5) K13(-0.5,3.5) K14(0.5,3.5) K15(1.5,3.5) K16(2.5,3.5) K17(3.5,3.5) K18(4.5,3.5) K19(5.5,3.5) K20(6.5,3.5) K21(7.5,3.5) K22(8.5,3.5) K23(9.5,3.5) K24(10.5,3.5) K25(11.5,3.5) K26(12.5,3.5) L1(-12.5,2.5) L2(-11.5,2.5) L3(-10.5,2.5) L4(-9.5,2.5) L5(-8.5,2.5) L6(-7.5,2.5) L7(-6.5,2.5) L8(-5.5,2.5) L9(-4.5,2.5) L10(-3.5,2.5) L11(-2.5,2.5) L12(-1.5,2.5) L13(-0.5,2.5) L14(0.5,2.5) L15(1.5,2.5) L16(2.5,2.5) L17(3.5,2.5) L18(4.5,2.5) L19(5.5,2.5) L20(6.5,2.5) L21(7.5,2.5) L22(8.5,2.5) L23(9.5,2.5) L24(10.5,2.5) L25(11.5,2.5) L26(12.5,2.5) M1(-12.5,1.5) M2(-11.5,1.5) M3(-10.5,1.5) M4(-9.5,1.5) M5(-8.5,1.5) M6(-7.5,1.5) M7(-6.5,1.5) M8(-5.5,1.5) M9(-4.5,1.5) M10(-3.5,1.5) M11(-2.5,1.5) M12(-1.5,1.5) M13(-0.5,1.5) M14(0.5,1.5) M15(1.5,1.5) M16(2.5,1.5) M17(3.5,1.5) M18(4.5,1.5) M19(5.5,1.5) M20(6.5,1.5) M21(7.5,1.5) M22(8.5,1.5) M23(9.5,1.5) M24(10.5,1.5) M25(11.5,1.5) M26(12.5,1.5) N1(-12.5,0.5) N2(-11.5,0.5) N3(-10.5,0.5) N4(-9.5,0.5) N5(-8.5,0.5) N6(-7.5,0.5) N7(-6.5,0.5) N8(-5.5,0.5) N9(-4.5,0.5) N10(-3.5,0.5) N11(-2.5,0.5) N12(-1.5,0.5) N13(-0.5,0.5) N14(0.5,0.5) N15(1.5,0.5) N16(2.5,0.5) N17(3.5,0.5) N18(4.5,0.5) N19(5.5,0.5) N20(6.5,0.5) N21(7.5,0.5) N22(8.5,0.5) N23(9.5,0.5) N24(10.5,0.5) N25(11.5,0.5) N26(12.5,0.5) P1(-12.5,-0.5) P2(-11.5,-0.5) P3(-10.5,-0.5) P4(-9.5,-0.5) P5(-8.5,-0.5) P6(-7.5,-0.5) P7(-6.5,-0.5) P8(-5.5,-0.5) P9(-4.5,-0.5) P10(-3.5,-0.5) P11(-2.5,-0.5) P12(-1.5,-0.5) P13(-0.5,-0.5) P14(0.5,-0.5) P15(1.5,-0.5) P16(2.5,-0.5) P17(3.5,-0.5) P18(4.5,-0.5) P19(5.5,-0.5) P20(6.5,-0.5) P21(7.5,-0.5) P22(8.5,-0.5) P23(9.5,-0.5) P24(10.5,-0.5) P25(11.5,-0.5) P26(12.5,-0.5) R1(-12.5,-1.5) R2(-11.5,-1.5) R3(-10.5,-1.5) R4(-9.5,-1.5) R5(-8.5,-1.5) R6(-7.5,-1.5) R7(-6.5,-1.5) R8(-5.5,-1.5) R9(-4.5,-1.5) R10(-3.5,-1.5) R11(-2.5,-1.5) R12(-1.5,-1.5) R13(-0.5,-1.5) R14(0.5,-1.5) R15(1.5,-1.5) R16(2.5,-1.5) R17(3.5,-1.5) R18(4.5,-1.5) R19(5.5,-1.5) R20(6.5,-1.5) R21(7.5,-1.5) R22(8.5,-1.5) R23(9.5,-1.5) R24(10.5,-1.5) R25(11.5,-1.5) R26(12.5,-1.5) T1(-12.5,-2.5) T2(-11.5,-2.5) T3(-10.5,-2.5) T4(-9.5,-2.5) T5(-8.5,-2.5) T6(-7.5,-2.5) T7(-6.5,-2.5) T8(-5.5,-2.5) T9(-4.5,-2.5) T10(-3.5,-2.5) T11(-2.5,-2.5) T12(-1.5,-2.5) T13(-0.5,-2.5) T14(0.5,-2.5) T15(1.5,-2.5) T16(2.5,-2.5) T17(3.5,-2.5) T18(4.5,-2.5) T19(5.5,-2.5) T20(6.5,-2.5) T21(7.5,-2.5) T22(8.5,-2.5) T23(9.5,-2.5) T24(10.5,-2.5) T25(11.5,-2.5) T26(12.5,-2.5) U1(-12.5,-3.5) U2(-11.5,-3.5) U3(-10.5,-3.5) U4(-9.5,-3.5) U5(-8.5,-3.5) U6(-7.5,-3.5) U7(-6.5,-3.5) U8(-5.5,-3.5) U9(-4.5,-3.5) U10(-3.5,-3.5) U11(-2.5,-3.5) U12(-1.5,-3.5) U13(-0.5,-3.5) U14(0.5,-3.5) U15(1.5,-3.5) U16(2.5,-3.5) U17(3.5,-3.5) U18(4.5,-3.5) U19(5.5,-3.5) U20(6.5,-3.5) U21(7.5,-3.5) U22(8.5,-3.5) U23(9.5,-3.5) U24(10.5,-3.5) U25(11.5,-3.5) U26(12.5,-3.5) V1(-12.5,-4.5) V2(-11.5,-4.5) V3(-10.5,-4.5) V4(-9.5,-4.5) V5(-8.5,-4.5) V6(-7.5,-4.5) V7(-6.5,-4.5) V8(-5.5,-4.5) V9(-4.5,-4.5) V10(-3.5,-4.5) V11(-2.5,-4.5) V12(-1.5,-4.5) V13(-0.5,-4.5) V14(0.5,-4.5) V15(1.5,-4.5) V16(2.5,-4.5) V17(3.5,-4.5) V18(4.5,-4.5) V19(5.5,-4.5) V20(6.5,-4.5) V21(7.5,-4.5) V22(8.5,-4.5) V23(9.5,-4.5) V24(10.5,-4.5) V25(11.5,-4.5) V26(12.5,-4.5) W1(-12.5,-5.5) W2(-11.5,-5.5) W3(-10.5,-5.5) W4(-9.5,-5.5) W5(-8.5,-5.5) W6(-7.5,-5.5) W7(-6.5,-5.5) W8(-5.5,-5.5) W9(-4.5,-5.5) W10(-3.5,-5.5) W11(-2.5,-5.5) W12(-1.5,-5.5) W13(-0.5,-5.5) W14(0.5,-5.5) W15(1.5,-5.5) W16(2.5,-5.5) W17(3.5,-5.5) W18(4.5,-5.5) W19(5.5,-5.5) W20(6.5,-5.5) W21(7.5,-5.5) W22(8.5,-5.5) W23(9.5,-5.5) W24(10.5,-5.5) W25(11.5,-5.5) W26(12.5,-5.5) Y1(-12.5,-6.5) Y2(-11.5,-6.5) Y3(-10.5,-6.5) Y4(-9.5,-6.5) Y5(-8.5,-6.5) Y6(-7.5,-6.5) Y7(-6.5,-6.5) Y8(-5.5,-6.5) Y9(-4.5,-6.5) Y10(-3.5,-6.5) Y11(-2.5,-6.5) Y12(-1.5,-6.5) Y13(-0.5,-6.5) Y14(0.5,-6.5) Y15(1.5,-6.5) Y16(2.5,-6.5) Y17(3.5,-6.5) Y18(4.5,-6.5) Y19(5.5,-6.5) Y20(6.5,-6.5) Y21(7.5,-6.5) Y22(8.5,-6.5) Y23(9.5,-6.5) Y24(10.5,-6.5) Y25(11.5,-6.5) Y26(12.5,-6.5)